# Altium PCB PCB.PcbDoc
Units mm, origin at the board's own origin, x right, y up, seen from the top; angles counter-clockwise.
Board outline 70.25 x 80.41 mm, 2 copper layers (Top Layer, Bottom Layer); 99 components, 75 nets, 311 pads, 136 vias.
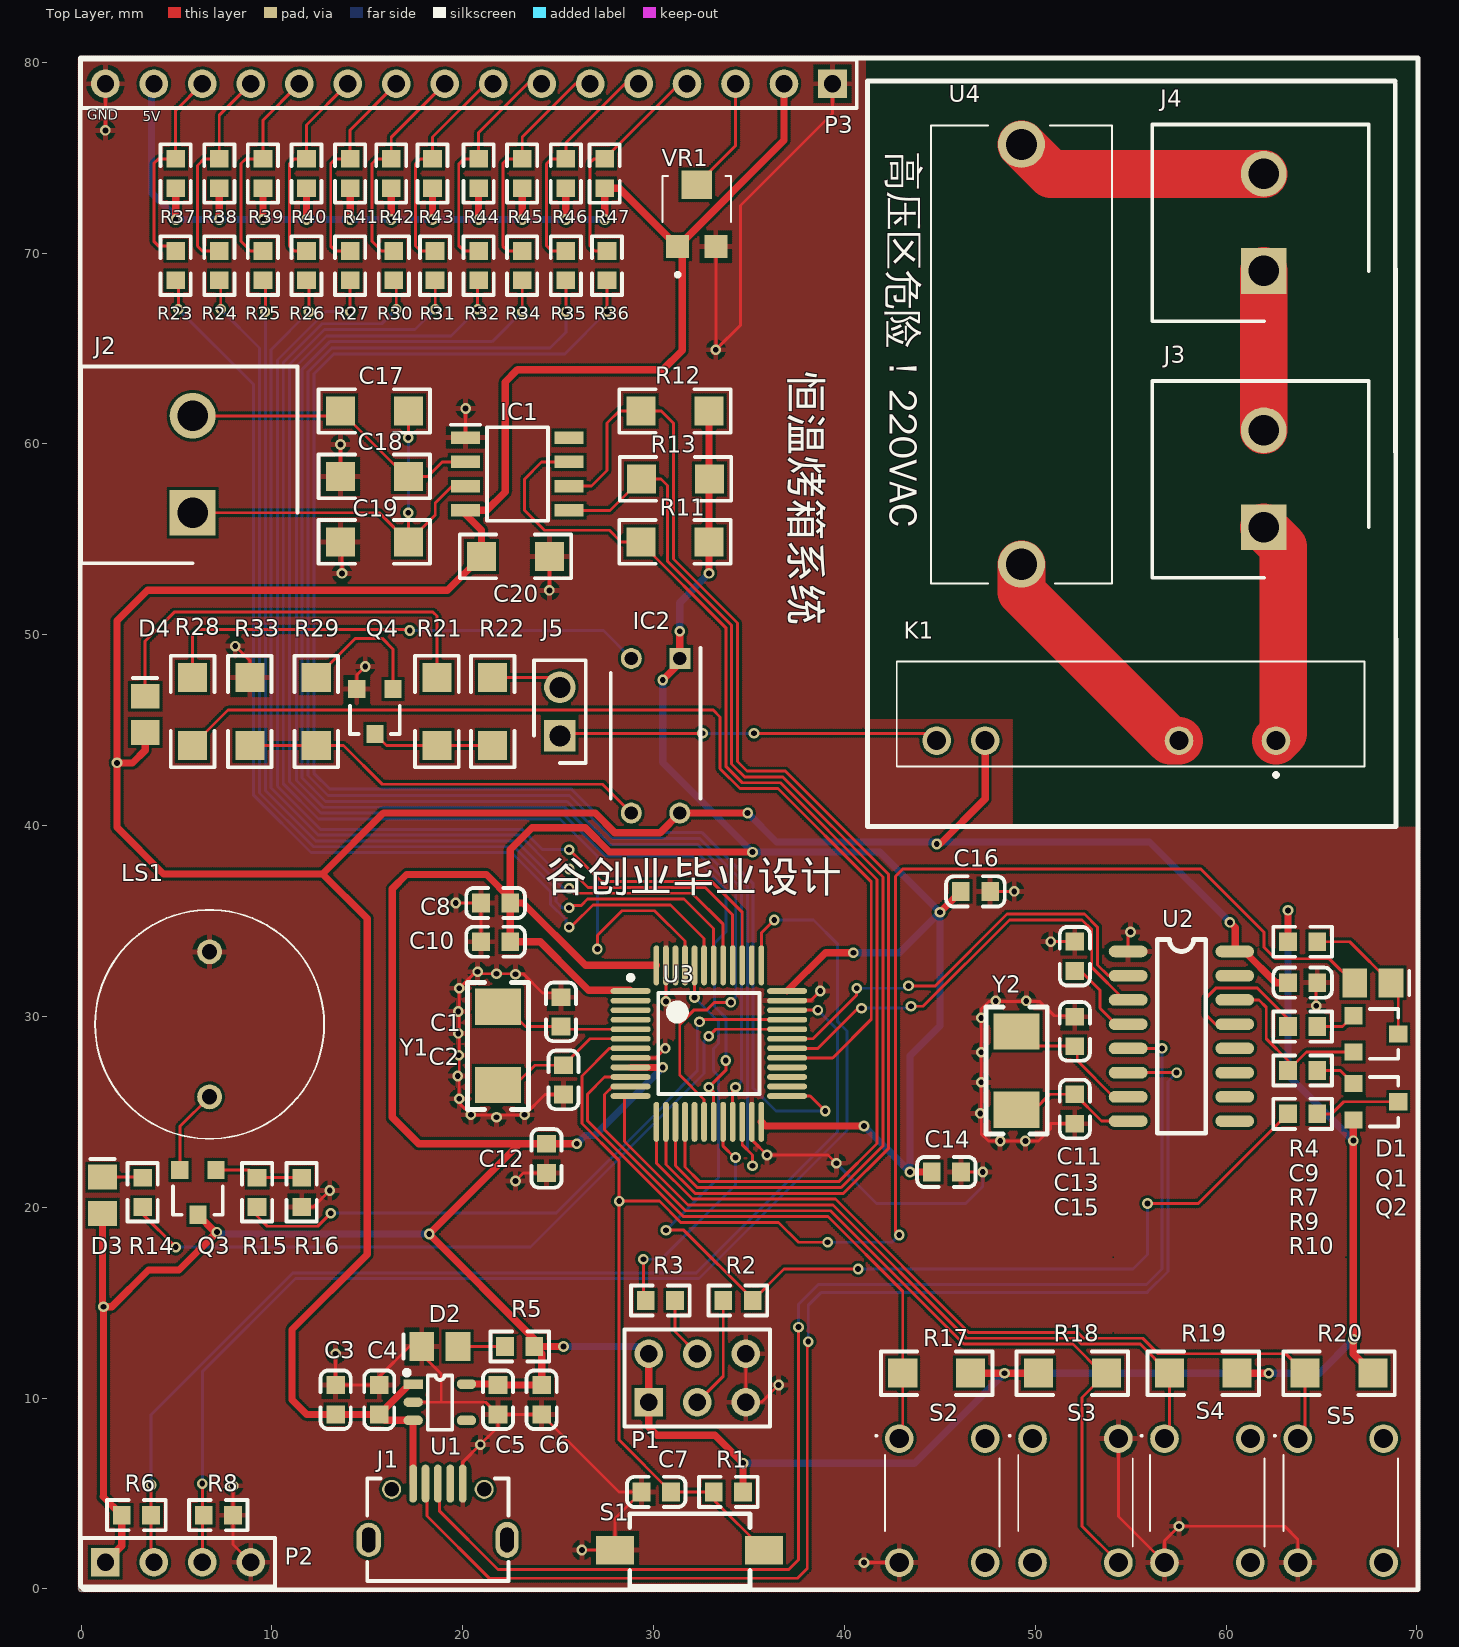
[diagram p0: Top Layer view]
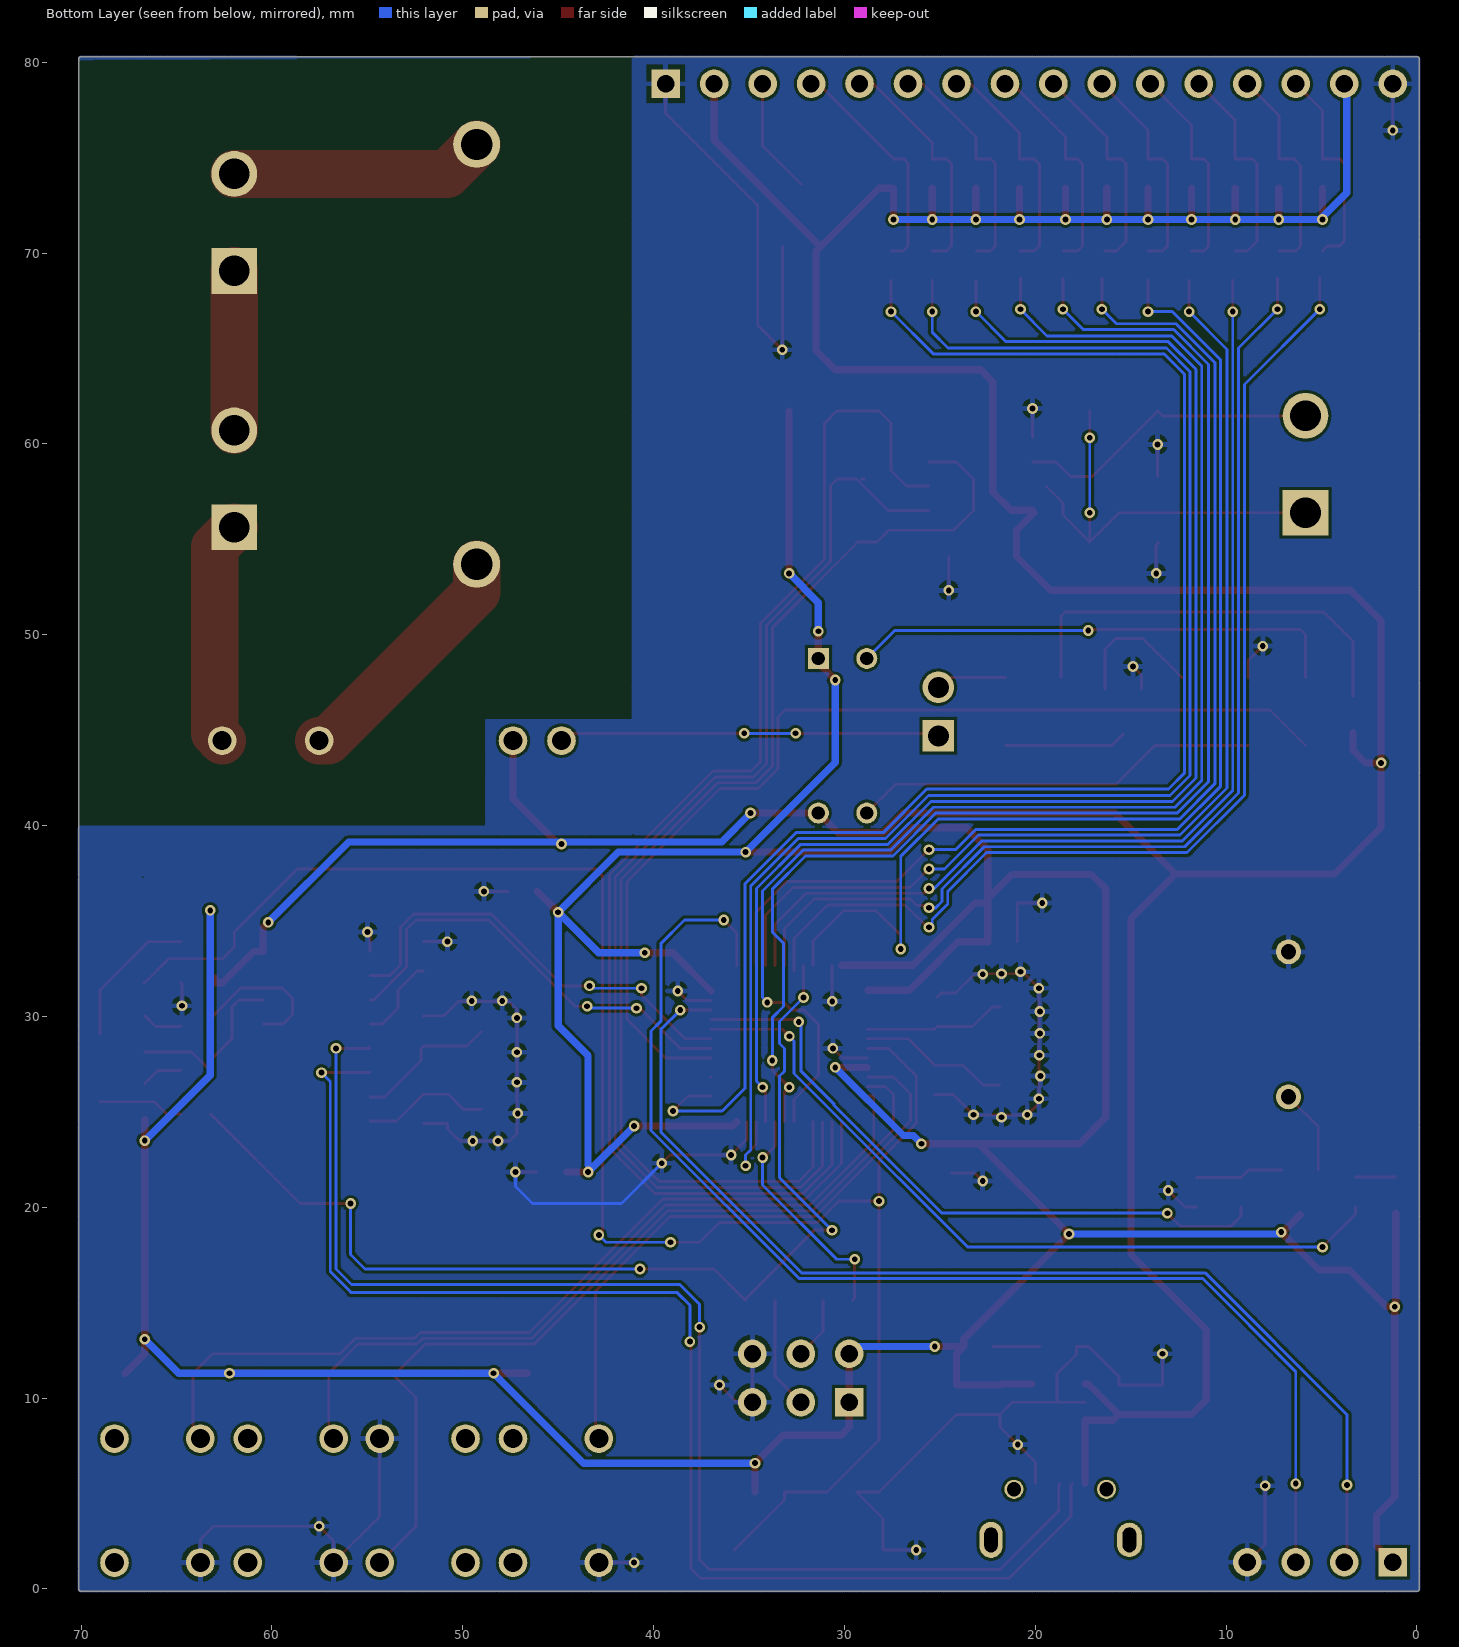
[diagram p1: Bottom Layer view, seen from below]
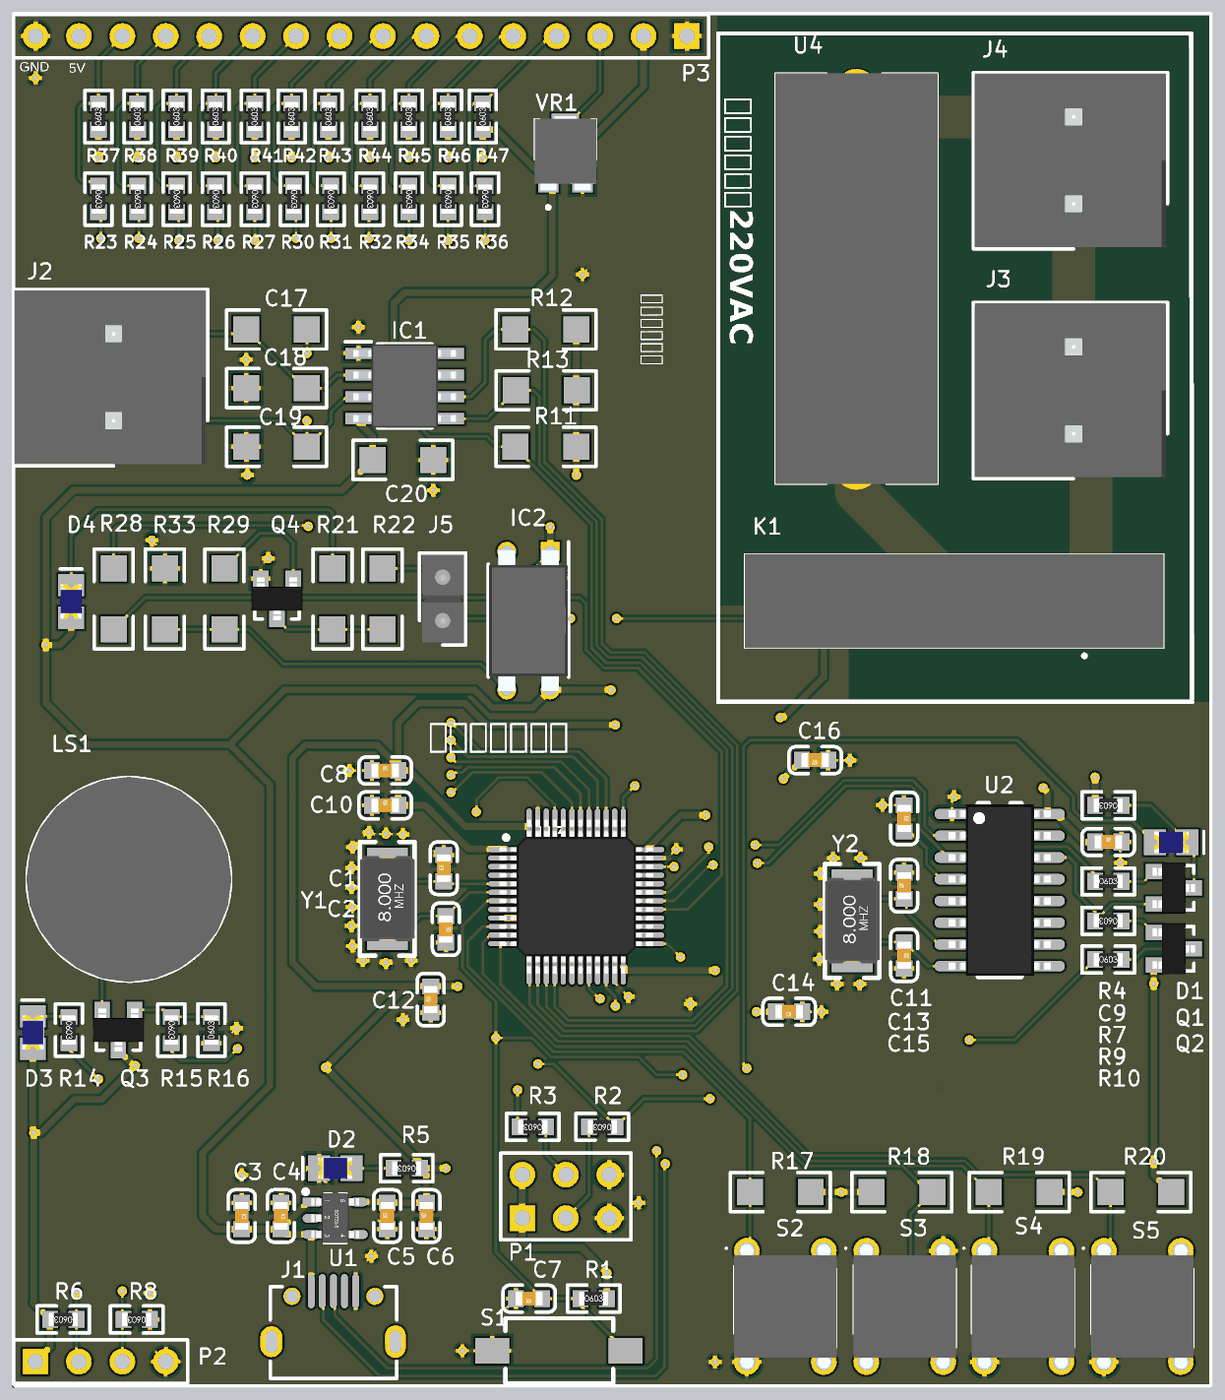
[diagram p2: 3D render of the assembled board from above, using the file's embedded part models]

## Layer stack, top to bottom
Top Solder: solder mask 0.0102, Solder Resist, Dk 3.5
Top Layer: signal copper 0.0356
Dielectric 1: dielectric 0.32, FR-4, Dk 4.8
Bottom Layer: signal copper 0.0356
Bottom Solder: solder mask 0.0102, Solder Resist, Dk 3.5

## Board outline
-0.126,0.017 cw(c0,0.033) -0.127,0.033 -0.127,80.033 cw(c0,80.033) -0.11,80.096 cw(c0,80.16) 0,80.287 70,80.287 cw(c70,80.16) 70.127,80.16 cw(c70,80.16) 70.11,80.096 cw(c70,80.033) 70.127,80.033 70.127,0.033 cw(c70,0.033) 70.126,0.016 cw(c70,0) 70.127,0 cw(c70,0) 70,-0.127 0,-0.127 cw(c0,0)

## Design rules (kind name [scope] priority, off if disabled: settings)
Clearance [All] p1: gap=0.152 ignorepadtopadclearanceinfootprint=FALSE
DiffPairsRouting [All] p1: maxlimit=0.178 minlimit=0.178 mostfreqgap=0.178 toplayer_minwidth=0.152 toplayer_maxwidth=0.152 toplayer_prefwidth=0.152 bottomlayer_minwidth=0.152 bottomlayer_maxwidth=0.152 bottomlayer_prefwidth=0.152 maxuncoupledlength=12.7
PlaneConnect [All] p1: pad.planeconnectstyle=Relief pad.reliefexpansion=0.508 pad.reliefentries=4 pad.reliefconductorwidth=0.254 pad.reliefairgap=0.254 via.planeconnectstyle=Direct via.reliefexpansion=0.508 via.reliefentries=4 via.reliefconductorwidth=0.254 via.reliefairgap=0.254
PolygonConnect [All] p1: connectstyle=Relief reliefconductorwidth=0.254 reliefentries=4 polygonreliefangle="90 Angle" airgapwidth=0.254
RoutingVias [All] p1: holewidth=0.305 width=0.559 viastyle="Through Hole" minholewidth=0.305 minwidth=0.559 maxholewidth=0.305 maxwidth=0.559
SilkToSilkClearance [All] p1: silktosilkclearance=0.051
SilkToSolderMaskClearance [IsPad] p1: minsilkscreentomaskgap=0.051 clearancetoexposedcopper=TRUE
SolderMaskExpansion [All] p1: expansion=0.102
Width 220V [InNetClass('220V')] p1: maxlimit=3 minlimit=2.5 preferedwidth=2.5
Width pwr [InNetClass('pwr')] p2: maxlimit=1.524 minlimit=0.381 preferedwidth=0.381
Width [All] p3: maxlimit=0.152 minlimit=0.152 preferedwidth=0.152
26 further rules are at their usual default settings.

## Classes and differential pairs
net class 220V: NetJ3_1 NetJ3_2 NetJ4_2 NetK1_2
net class pwr: 3V3 5V

## Components (designator, comment, footprint, x,y, rotation, side; value= is the part's Value field where it differs from the comment)
C1 "22pF" 0603_C 25.146,30.234 r90 top
C2 "22pF" 0603_C 25.273,26.67 r270 top
C3 "0.1uF" 0603_C 13.335,9.909 r270 top
C4 "1uF" 0603_C 15.621,9.909 r270 top
C5 "1uF" 0603_C 21.844,9.909 r90 top
C6 "0.1uF" 0603_C 24.13,9.909 r90 top
C7 "0.1uF" 0603_C 30.139,5.08 r180 top
C8 "0.1uF" 0603_C 21.717,35.941 r0 top
C9 "0.1uF" 0603_C 64.008,31.766 r0 top
C10 "0.1uF" 0603_C 21.717,33.909 r0 top
C11 "0.1uF" 0603_C 52.07,33.147 r270 top
C12 "0.1uF" 0603_C 24.384,22.558 r90 top
C13 "22pF" 0603_C 52.07,29.21 r90 top
C14 "0.1uF" 0603_C 45.339,21.844 r180 top
C15 "22pF" 0603_C 52.07,25.146 r270 top
C16 "0.1uF" 0603_C 46.863,36.547 r180 top
C17 "0.1uF" 1206 15.367,61.722 r0 top
C18 "0.1uF" 1206 15.367,58.293 r180 top
C19 "0.1uF" 1206 15.367,54.864 r180 top
C20 "0.1uF" 1206 22.758,54.102 r0 top
D1 "LED0" LED_0805_Blue 67.691,31.75 r0 top
D2 "LED0" LED_0805_Blue 18.796,12.7 r180 top
D3 "LED0" LED_0805_Blue 1.118,20.626 r90 top
D4 "LED0" LED_0805_Blue 3.353,45.822 r90 top
IC1 "MAX6675ISA" SOIC127P600X175-8N 22.86,58.42 r0 top
IC2 "TPC817D" DIP810W50P254L460H368Q4N 30.099,44.704 r270 top
J1 "USB_M" USB 18.669,2.54 r0 top
J2 "5442918" SHDR2W100P0X508_1X2_1016X1120X1820P 5.842,56.388 r90 top
J3 "5442918" SHDR2W100P0X508_1X2_1016X1120X1820P 61.976,55.626 r90 top
J4 "5442918" SHDR2W100P0X508_1X2_1016X1120X1820P 61.976,69.066 r90 top
J5 "69190-402HLF" HDRV2W90P0X254_1X2_508X241X858P 25.083,44.704 r90 top
K1 "G3MB-202P-4_DC5" G3MB202P4DC5 62.611,44.45 r0 top
LS1 "TMB12A05" TMB12A05 6.731,33.381 r180 top
P1 "Header 3*2" HDR3X2 32.286,11.049 r0 top
P2 "Header 4" HDR4X1_A 5.08,1.397 r0 top
P3 "Header 16" HDR16X1_A 20.32,78.867 r180 top
Q1 "SS8050" SOT-23 67.843,29.083 r270 top
Q2 "SS8550" SOT-23 67.843,25.527 r270 top
Q3 "SS8050" SOT-23 6.121,20.777 r180 top
Q4 "SS8050" SOT-23 15.392,45.974 r180 top
R1 "10K" 0603_R 33.917,5.08 r0 top
R2 "10K" 0603_R 34.417,15.113 r180 top
R3 "10K" 0603_R 30.353,15.113 r180 top
R4 "10K" 0603_R 64.008,33.909 r180 top
R5 "1K" 0603_R 22.979,12.7 r180 top
R6 "10K" 0603_R 2.896,3.861 r180 top
R7 "1K" 0603_R 64.008,29.464 r0 top
R8 "10K" 0603_R 7.188,3.861 r180 top
R9 "1K" 0603_R 64.008,27.16 r180 top
R10 "10K" 0603_R 64.008,24.892 r0 top
R11 "10K" 1206 31.123,54.864 r0 top
R12 "10K" 1206 31.123,61.722 r0 top
R13 "10K" 1206 31.143,58.166 r0 top
R14 "1K" 0603_R 3.226,20.777 r270 top
R15 "1K" 0603_R 9.22,20.777 r270 top
R16 "4.7K" 0603_R 11.557,20.777 r90 top
R17 "10K" 1206 44.831,11.303 r0 top
R18 "10K" 1206 51.943,11.303 r180 top
R19 "10K" 1206 58.801,11.303 r0 top
R20 "10K" 1206 65.913,11.303 r0 top
R21 "1k" 1206 18.644,45.974 r90 top value=10K
R22 "10" 1206 21.565,45.974 r270 top value=10K
R23 "270" 0603_R 4.953,69.342 r270 top
R24 "270" 0603_R 7.239,69.342 r270 top
R25 "270" 0603_R 9.525,69.342 r270 top
R26 "270" 0603_R 11.811,69.342 r270 top
R27 "270" 0603_R 14.097,69.342 r270 top
R28 "470" 1206 5.842,45.974 r270 top value=10K
R29 "4.7K" 1206 12.319,45.974 r270 top value=10K
R30 "270" 0603_R 16.383,69.342 r270 top
R31 "270" 0603_R 18.542,69.342 r270 top
R32 "270" 0603_R 20.828,69.342 r270 top
R33 "10K" 1206 8.839,45.974 r270 top
R34 "270" 0603_R 23.114,69.342 r270 top
R35 "270" 0603_R 25.4,69.342 r270 top
R36 "270" 0603_R 27.559,69.342 r270 top
R37 "10K" 0603_R 4.953,74.168 r90 top
R38 "10K" 0603_R 7.239,74.168 r90 top
R39 "10K" 0603_R 9.525,74.168 r90 top
R40 "10K" 0603_R 11.811,74.168 r90 top
R41 "10K" 0603_R 14.097,74.168 r90 top
R42 "10K" 0603_R 16.25,74.168 r90 top
R43 "10K" 0603_R 18.415,74.168 r90 top
R44 "10K" 0603_R 20.828,74.168 r90 top
R45 "10K" 0603_R 23.114,74.168 r90 top
R46 "10K" 0603_R 25.4,74.168 r90 top
R47 "10K" 0603_R 27.432,74.168 r90 top
S1 "SW-PB" SW_PB2_A1 31.877,2.032 r180 top
S2 "TS665CJ" TS665CJ 42.871,7.874 r0 top
S3 "TS665CJ" TS665CJ 49.856,7.874 r0 top
S4 "TS665CJ" TS665CJ 56.769,7.874 r0 top
S5 "TS665CJ" TS665CJ 63.754,7.874 r0 top
U1 "ME6211" SOT23-5 18.796,9.779 r0 top
U2 "CH340G" SOP-16 57.658,28.956 r0 top
U3 "STM32F103C8T6" LQFP-48_M 32.893,28.575 r0 top
U4 "C3131" C3131 49.276,75.692 r270 top
VR1 "VG039NCHXTB204" VG039NCHXTB204 32.258,72.136 r0 top
Y1 "8M" 5032 21.844,28.448 r270 top
Y2 "12M" 5032 49.022,27.16 r270 top

## Footprints (in the part's own frame and the unit in brackets; to place one, negate y for a bottom-side part, rotate by r counter-clockwise, add the part's x,y. Pads: shape width x height; smd on the part's side, far side on the other; paste and mask are expansions set on the pad)
0603_C [mm]
  rect 0.93x0.98 smd: 1(-0.77,0) 2(0.77,0)
  silkscreen extent -1.53,-0.79 1.54,0.79, body extent -0.8,-0.4 0.8,0.4, height 0.3
0603_R [mm]
  rect 0.93x0.98 smd: 1(-0.77,0) 2(0.77,0)
  silkscreen extent -1.53,-0.79 1.54,0.79, body extent -0.85,-0.4 0.85,0.4, height 0.56
1206 [mil] "贴片元件"
  rect 60x60 smd: 1(-70,0) 2(70,0)
  silkscreen extent -115,-45 115,45, body extent -75,-35 75,35, height 39
5032 [mm]
  rect 1.9x2.4 smd: 1(-2.05,0) 2(2.05,0)
  silkscreen extent -3.32,-1.6 3.32,1.6, body extent -2.51,-1.59 2.49,1.61, height 1.2
C3131 [mm]
  round 2.46 hole 1.64: 1(0,0) 2(22,0)
  silkscreen extent -1,-4.75 23,4.75, body extent -1,-4.75 23,4.75, height 10.6
DIP810W50P254L460H368Q4N [mm]
  rect 1.1x1.1 hole 0.7: 1(-4.05,1.27)
  round 1.1 hole 0.7: 2(-4.05,-1.27) 3(4.05,-1.27) 4(4.05,1.27)
  silkscreen extent -4.6,-2.35 3.3,2.35, body extent -4.18,-2.3 4.18,2.3, height 3.68
G3MB202P4DC5 [mm]
  round 1.5 hole 1: 1(0,0) 2(-5.08,0) 3(-15.24,0) 4(-17.78,0)
  silkscreen extent -19.87,-1.9 4.63,4.15, body extent -19.87,-1.35 4.63,4.15, height 20.6
HDR3X2 [mm]
  rect 1.5x1.5 hole 0.9: 1(-2.54,-1.27)
  round 1.5 hole 0.9: 2(-2.54,1.27) 3(0,-1.27) 4(0,1.27) 5(2.54,-1.27) 6(2.54,1.27)
  silkscreen extent -3.81,-2.54 3.81,2.54, body extent -3.81,-2.54 3.81,2.54, height 8.57
HDR4X1_A [mm]
  rect 1.5x1.5 hole 0.9: 1(-3.81,0)
  round 1.5 hole 0.9: 2(-1.27,0) 3(1.27,0) 4(3.81,0)
  silkscreen extent -5.08,-1.27 5.08,1.27, body extent -5.08,-1.27 5.08,1.27, height 8.57
HDR16X1_A [mm]
  rect 1.5x1.5 hole 0.9: 1(-19.05,0)
  round 1.5 hole 0.9: 2(-16.51,0) 3(-13.97,0) 4(-11.43,0) 5(-8.89,0) 6(-6.35,0) 7(-3.81,0) 8(-1.27,0) 9(1.27,0) 10(3.81,0) 11(6.35,0) 12(8.89,0) 13(11.43,0) 14(13.97,0) 15(16.51,0) 16(19.05,0)
  silkscreen extent -20.32,-1.27 20.32,1.27, body extent -20.32,-1.27 20.32,1.27, height 8.57
HDRV2W90P0X254_1X2_508X241X858P [mm]
  rect 1.65x1.65 hole 1.1: 1(0,0)
  round 1.65 hole 1.1: 2(2.54,0)
  silkscreen extent -1.42,-1.36 3.96,1.36, body extent -1.27,-1.2 3.81,1.2, height 8.58
LED_0805_Blue [mm]
  rect 1.3x1.5 smd: 1(-0.95,0) 2(0.95,0)
  silkscreen extent 1.91,-0.64 1.91,0.64, body extent -1,-0.63 1,0.62, height 1.1
LQFP-48_M [mm]
  oval 2.1x0.3 smd: 1(-4.1,2.75) 2(-4.1,2.25) 3(-4.1,1.75) 4(-4.1,1.25) 5(-4.1,0.75) 6(-4.1,0.25) 7(-4.1,-0.25) 8(-4.1,-0.75) 9(-4.1,-1.25) 10(-4.1,-1.75) 11(-4.1,-2.25) 12(-4.1,-2.75) 25(4.1,-2.75) 26(4.1,-2.25) 27(4.1,-1.75) 28(4.1,-1.25) 29(4.1,-0.75) 30(4.1,-0.25) 31(4.1,0.25) 32(4.1,0.75) 33(4.1,1.25) 34(4.1,1.75) 35(4.1,2.25) 36(4.1,2.75)
  oval 0.3x2.1 smd: 13(-2.75,-4.1) 14(-2.25,-4.1) 15(-1.75,-4.1) 16(-1.25,-4.1) 17(-0.75,-4.1) 18(-0.25,-4.1) 19(0.25,-4.1) 20(0.75,-4.1) 21(1.25,-4.1) 22(1.75,-4.1) 23(2.25,-4.1) 24(2.75,-4.1) 37(2.75,4.1) 38(2.25,4.1) 39(1.75,4.1) 40(1.25,4.1) 41(0.75,4.1) 42(0.25,4.1) 43(-0.25,4.1) 44(-0.75,4.1) 45(-1.25,4.1) 46(-1.75,4.1) 47(-2.25,4.1) 48(-2.75,4.1)
  silkscreen extent -4.22,-2.65 2.65,3.57, body extent -4.5,-4.5 4.5,4.5, height 1.6
SHDR2W100P0X508_1X2_1016X1120X1820P [mm]
  rect 2.4x2.4 hole 1.6: 1(0,0)
  round 2.4 hole 1.6: 2(5.08,0)
  silkscreen extent -2.64,-5.5 7.67,5.85, body extent -2.54,-5.4 7.62,5.8, height 18.2
SOIC127P600X175-8N [mm]
  rect 1.525x0.65 smd: 1(-2.712,1.905) 2(-2.712,0.635) 3(-2.712,-0.635) 4(-2.712,-1.905) 5(2.712,-1.905) 6(2.712,-0.635) 7(2.712,0.635) 8(2.712,1.905)
  silkscreen extent -3.47,-2.45 1.6,2.58, body extent -3,-2.45 3,2.45, height 1.75
SOP-16 [mil]
  oval 80x24 smd: 1(-110,175) 2(-110,125) 3(-110,75) 4(-110,25) 5(-110,-25) 6(-110,-75) 7(-110,-125) 8(-110,-175) 9(110,-175) 10(110,-125) 11(110,-75) 12(110,-25) 13(110,25) 14(110,75) 15(110,125) 16(110,175)
  silkscreen extent -50,-200 50,200, body extent -118,-197 118,197, height 69
SOT23-5 [mil]
  rect 40x20 smd: 1(-55,37.4)
  oval 40x20 smd: 2(-55,0) 3(-55,-37.4) 4(55,-37.4) 5(55,37.4)
  silkscreen extent -73,-57 26,66, body extent -55,-57 55,57, height 43
SOT-23 [mm]
  rect 0.9x0.95 smd: 1(-0.95,-1.175) 2(0.95,-1.175) 3(0,1.175)
  silkscreen extent -1.3,-0.3 1.3,1.18, body extent -1.5,-1.25 1.5,1.25, height 1.08
SW_PB2_A1 [mm]
  rect 2x1.5 smd: 1(-3.9,0) 2(3.9,0)
  silkscreen extent -3.17,-1.9 3.13,1.9, body extent -3.96,-1.94 3.93,1.91, height 2.5
TMB12A05 [mm]
  round 1.3 hole 0.8: 1(0,0) 2(0,7.6)
  silkscreen extent -6,-2.2 6,9.8, body extent -6,-2.2 6,9.8, height 9.6
TS665CJ [mm]
  round 1.5 hole 1: A1(0,0) B1(4.5,0) C1(0,-6.5) D1(4.5,-6.5)
  silkscreen extent -1.25,-5.65 5.25,0.2, body extent -0.75,-6.9 5.25,0.4, height 5.25